# KiCad board [DFR1142]Lite Carrier for LattePanda Mu(V2).kicad_pcb (continued)
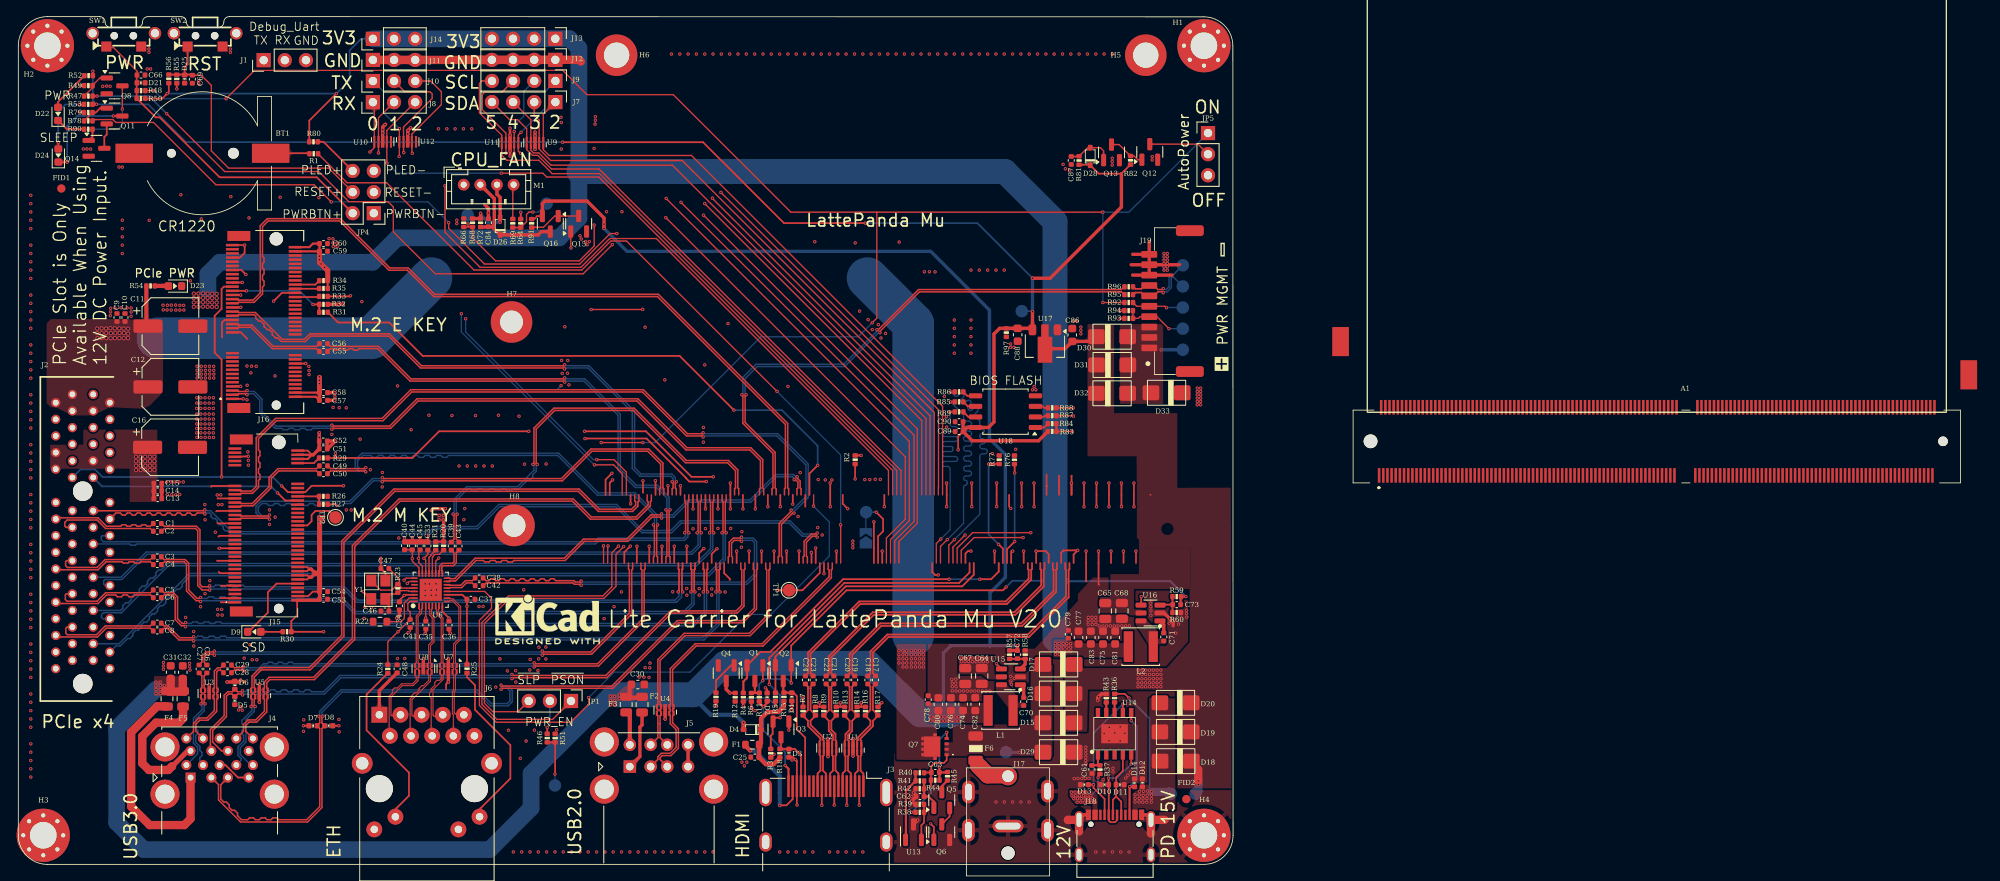
[diagram p0: board, top side]
## Routing (per net, layer and track width the routed paths; a pad name or vN(x,y) marks a point on that pad's centre or on a via; arc(x,y) is an arc through that point) (continued)
+BATT: length 93.7
  Top w0.15: 98.83,36.26 98.83,40.85 v1(98.83,40.86) ; v1(91.19,56.91) 73.1,75 71.21,75 67.73,71.52 54.76,71.52 44.27,82.01 39.51,82.01 R1.1
  Bottom w0.15: v1(98.83,40.86) 98.83,49.27 v1(91.19,56.91)
/Fan_Temp/FAN_1_PWM: length 45
  Top w0.15: R69.1 R64.2 61.08,77.32 61.08,78.2 61.36,78.48 v1(61.85,78.48)
  Top w0.2: 70.58,44.46 70.58,46.29 v1(71.34,47.05)
  In2.PWR w0.15: v1(71.34,47.05) 71.34,70.62 63.48,78.48 61.87,78.48 61.85,78.46 v1(61.85,78.48)
  Bottom w0.15: TP12.1 62.48,78.48 v1(61.85,78.48)
/Fan_Temp/FAN_1_TAC: length 56.7
  Top w0.15: R66.1 54.07,76.69 ; 54.07,76.69 R68.2 54.59,75.39 57.36,72.62 67.43,72.62 69.22,74.41 v1(69.22,76.92) ; 54.07,76.69 v1(54.07,77.05)
  Top w0.2: v1(71.43,46.26) 71.08,45.91 71.08,44.46
  In2.PWR w0.15: v1(71.43,46.26) 71.8,46.63 71.8,72.18 69.22,74.76 v1(69.22,76.92)
  Bottom w0.15: TP11.1 54.07,78.07 v1(54.07,77.05)
/Gigabit Ethernet/GbE_PCIe_CLK+: length 49.9
  Top w0.17: U6.15 51.82,34.04 51.88,34.1 52.56,34.1 55.02,36.56 55.88,36.56 56.07,36.38 56.58,36.38 56.77,36.56 57.28,36.56 57.47,36.38 57.98,36.38 58.17,36.56 58.68,36.56 58.87,36.38 59.38,36.38 59.57,36.56 65.74,36.56 68.04,38.86 73.25,38.86 76.17,41.78 77.21,41.78 v1(77.32,41.67) ; 93.58,44.46 93.58,45.18 93.7,45.3 93.7,46 93.41,46.29 v1(93.25,46.29)
  Bottom w0.17: v1(93.25,46.29) 93.25,46.45 93.06,46.63 91.1,46.63 88.04,43.57 80.56,43.57 78.77,41.78 77.43,41.78 v1(77.32,41.67)
/Gigabit Ethernet/GbE_PCIe_CLK-: length 49.9
  Top w0.17: U6.16 51.82,34.44 51.88,34.38 52.44,34.38 54.9,36.84 65.62,36.84 67.92,39.14 73.13,39.14 76.05,42.06 77.21,42.06 v1(77.32,42.17) ; 94.08,44.46 94.08,45.18 93.97,45.3 93.97,46.11 93.6,46.48 v1(93.6,46.64)
  Bottom w0.17: v1(77.32,42.17) 77.43,42.06 78.65,42.06 80.44,43.85 87.92,43.85 90.98,46.91 93.18,46.91 93.44,46.64 v1(93.6,46.64)
/Gigabit Ethernet/GbE_PCIe_RX+: length 53.2
  Top w0.17: v1(62.36,48.12) 62.25,48.23 62.25,52.38 64.48,54.61 73.9,54.61 80.19,48.32 85.23,48.32 86.2,47.36 86.2,45.3 86.08,45.18 86.08,44.46 ; C43.2 52.97,38.81 52.64,39.13 52.64,42.03 v1(52.76,42.14)
  Bottom w0.17: v1(62.36,48.12) 62.25,48.01 62.25,47.29 61.84,46.88 61.84,46.58 61.49,46.23 61.19,46.23 60.13,45.17 59.48,45.17 59.27,44.96 58.78,44.96 58.57,45.17 58.08,45.17 57.87,44.96 57.38,44.96 57.17,45.17 56.68,45.17 56.47,44.96 55.98,44.96 55.77,45.17 55.28,45.17 55.07,44.96 54.58,44.96 54.37,45.17 54.02,45.17 52.64,43.8 52.64,42.25 v1(52.76,42.14)
/Gigabit Ethernet/GbE_PCIe_RX-: length 53.2
  Top w0.17: 86.58,44.46 86.58,45.18 86.47,45.3 86.47,47.47 85.35,48.6 80.31,48.6 74.02,54.89 64.36,54.89 61.97,52.5 61.97,48.23 v1(61.86,48.12) ; C39.2 52.05,38.81 52.37,39.13 52.37,42.03 v1(52.25,42.14)
  Bottom w0.17: v1(52.25,42.14) 52.37,42.25 52.37,43.91 53.9,45.45 60.01,45.45 61.97,47.41 61.97,48.01 v1(61.86,48.12)
/Gigabit Ethernet/GbE_PCIe_TX+: length 44
  Top w0.17: v1(86.92,39.37) 86.8,39.26 85.94,39.26 85.45,38.77 85.45,37.1 85.33,36.98 85.33,36.26 ; v1(67.65,33.58) 67.54,33.7 66.84,33.7 66.67,33.86 56.23,33.86 55.9,33.54 C42.2
  Bottom w0.17: v1(86.92,39.37) 87.03,39.26 88.32,39.26 88.74,38.84 88.74,34.85 87.59,33.7 67.77,33.7 v1(67.65,33.58)
/Gigabit Ethernet/GbE_PCIe_TX-: length 44
  Top w0.17: 85.83,36.26 85.83,36.98 85.72,37.1 85.72,38.65 86.05,38.98 86.8,38.98 v1(86.92,38.87) ; v1(67.65,34.08) 67.54,33.97 66.95,33.97 66.79,34.13 64.59,34.13 64.36,34.37 63.99,34.37 63.76,34.13 63.39,34.13 63.16,34.37 62.79,34.37 62.56,34.13 62.19,34.13 61.96,34.37 61.59,34.37 61.36,34.13 60.99,34.13 60.76,34.37 60.39,34.37 60.16,34.13 59.79,34.13 59.56,34.37 59.19,34.37 58.96,34.13 58.59,34.13 58.36,34.37 57.99,34.37 57.76,34.13 57.39,34.13 57.16,34.37 56.79,34.37 56.56,34.13 56.23,34.13 55.9,34.46 C38.2
  Bottom w0.17: v1(67.65,34.08) 67.77,33.97 87.47,33.97 88.47,34.97 88.47,38.72 88.21,38.98 87.03,38.98 v1(86.92,38.87)
/Gigabit Ethernet/HSI+: length 3.8
  Top w0.17: U6.13 51.82,33.24 51.88,33.3 53.3,33.3 53.86,33.86 54.55,33.86 54.88,33.54 C42.1
/Gigabit Ethernet/HSI-: length 3.8
  Top w0.17: U6.14 51.82,33.64 51.88,33.58 53.18,33.58 53.74,34.13 54.55,34.13 54.88,34.46 C38.1
/Gigabit Ethernet/HSO+: length 4.4
  Top w0.17: C43.1 52.97,37.79 52.64,37.47 52.64,36.29 52.3,35.94 51.08,35.94 50.9,35.77 50.9,35.35 50.97,35.29 U6.17
/Gigabit Ethernet/HSO-: length 4.4
  Top w0.17: C39.1 52.05,37.79 52.37,37.47 52.37,36.4 52.18,36.22 50.96,36.22 50.63,35.88 50.63,35.35 50.57,35.29 U6.18
/Gigabit Ethernet/LED1_1000: length 34.9
  Top w0.15: U6.26 46.99,34.04 v1(46.75,33.8)
  In2.PWR w0.15: v1(46.75,33.8) 47.27,33.28 47.27,28.96 46.03,27.72 46.03,24.31 41.89,20.17 41.89,16.58 39,13.69 39,8.89 42.79,5.11
/Gigabit Ethernet/LED2_ACT: length 36.3
  Top w0.15: v1(46.37,34.19) 46.61,34.44 U6.25
  In2.PWR w0.15: 52.89,5.11 52.89,11.38 56.28,14.76 56.28,19.02 47.71,27.59 47.71,33.44 46.93,34.22 46.4,34.22 v1(46.37,34.19)
/Gigabit Ethernet/MDI0+: length 18.4
  Top w0.116: J6.R2 44.57,15.55 44.57,20.24 44.96,20.63 44.96,20.98 45.21,21.23 45.56,21.23 46.05,21.72 47.36,21.72 47.83,22.18 47.83,22.54 47.69,22.68 U8.6 47.69,23.34 47.83,23.48 47.83,23.6 47.69,23.74 U8.5 47.69,24.12 47.83,24.26 47.83,29.88 48.26,30.31 48.26,30.7 48.17,30.79 U6.1
/Gigabit Ethernet/MDI0-: length 17.1
  Top w0.116: U6.2 48.57,30.79 48.47,30.7 48.47,30.22 48.04,29.79 48.04,24.26 48.19,24.12 U8.4 48.19,23.74 48.04,23.6 48.04,23.48 48.19,23.34 U8.7 48.19,22.68 48.04,22.54 48.04,22.09 47.46,21.5 46.15,21.5 44.79,20.15 44.79,17.95 44.85,17.89 45.42,17.89 45.94,18.4
/Gigabit Ethernet/MDI1+: length 17.4
  Top w0.116: U6.4 49.37,30.79 49.46,30.7 49.46,29.96 49.74,29.67 49.74,26.84 49.33,26.42 49.33,24.26 49.19,24.12 U8.2 49.19,23.74 49.33,23.6 49.33,23.48 49.19,23.34 U8.9 49.19,22.97 49.33,22.82 49.33,22.14 48.68,21.49 48.48,21.49 48.16,21.16 48.16,20.97 47.83,20.64 47.63,20.64 47.31,20.31 47.31,20.12 47.09,19.9 47.09,15.57 J6.R4
/Gigabit Ethernet/MDI1-: length 16.1
  Top w0.116: U6.5 49.77,30.79 49.67,30.7 49.67,30.05 49.96,29.77 49.96,26.74 49.54,26.33 49.54,24.26 49.69,24.12 U8.1 49.69,23.74 49.54,23.6 49.54,23.48 49.69,23.34 U8.10 49.69,22.97 49.54,22.82 49.54,22.05 47.31,19.81 47.31,17.96 47.44,17.83 47.83,17.83 48.48,18.47
/Gigabit Ethernet/MDI2+: length 16.9
  Top w0.116: J6.R6 49.62,15.58 49.62,19.99 49.42,20.19 49.42,20.59 49.62,20.79 49.62,21.12 50.06,21.55 50.06,21.9 50.3,22.15 50.66,22.15 50.83,22.32 50.83,22.83 50.69,22.97 U7.6 ; U6.6 50.17,30.79 50.26,30.7 50.26,30.11 50.83,29.54 50.83,24.26 50.69,24.12 U7.5 50.69,23.75 50.83,23.6 50.83,23.49 50.69,23.35
/Gigabit Ethernet/MDI2-: length 15.4
  Top w0.116: 51.19,23.35 51.04,23.49 51.04,23.6 51.19,23.75 U7.4 51.19,24.12 51.04,24.26 51.04,29.63 50.47,30.2 50.47,30.7 50.57,30.79 U6.7 ; U7.7 51.19,22.97 51.04,22.83 51.04,22.23 49.84,21.03 49.84,17.95 49.97,17.82 50.56,17.82 51.02,18.27
/Gigabit Ethernet/MDI3+: length 17.9
  Top w0.116: J6.R8 52.29,18.02 52.17,18.14 52.17,20.83 52.33,20.99 52.33,22.83 52.19,22.97 U7.9 52.19,23.35 52.33,23.49 52.33,23.6 52.19,23.75 U7.2 52.19,24.12 52.33,24.26 52.33,26.54 52.95,27.17 52.95,30.94 52.17,31.73 51.91,31.73 51.82,31.64 U6.9
/Gigabit Ethernet/MDI3-: length 18.3
  Top w0.116: 53.55,18.23 53.55,18.9 ; 53.55,18.9 52.77,18.12 52.49,18.12 52.39,18.23 52.39,20.74 52.54,20.9 52.54,22.83 52.69,22.97 U7.10 52.69,23.35 52.54,23.49 52.54,23.6 52.69,23.75 U7.1 52.69,24.12 52.54,24.26 52.54,26.45 53.17,27.07 53.17,31.04 52.26,31.95 51.91,31.95 51.82,32.04 U6.10 ; 53.55,18.9 53.56,18.89 53.56,18.21
/Gigabit Ethernet/~{CLKREQ4}: length 79
  Top w0.15: v1(68.55,20.07) 68.55,19.27 66.38,17.1 57.45,17.1 55.42,19.13 55.42,29.36 56.87,30.81 56.87,32.02 56.05,32.84 U6.12 ; 95.58,44.46 95.58,43.1 v1(95.58,43.1)
  Bottom w0.15: v1(68.55,20.07) 71.61,23.13 80.73,23.13 87.67,30.07 90.44,30.07 97.47,37.1 97.47,41.21 v1(95.58,43.1)
/GPIO/I2C2_SCL: length 83.9
  Top w0.15: v1(60.38,85.55) 60.1,85.83 U11.10 60.1,87.75 v1(60.43,88.08) ; v1(84.45,80.85) 110.6,54.7 110.6,45.4 110.58,45.38 110.58,44.46
  In2.PWR w0.15: v1(60.38,85.55) 79.75,85.55 v1(84.45,80.85)
  Bottom w0.15: v1(60.43,88.08) 63.27,90.92 63.27,92.94 64.55,94.22 J9.1
/GPIO/I2C2_SDA: length 77.8
  Top w0.15: J7.1 63.1,90.27 U9.10 63.1,85.99 63.8,85.29 80.91,85.29 111.08,55.11 111.08,44.46
/GPIO/I2C3_SCL: length 82.3
  Top w0.15: v1(59.6,85.54) U11.9 U11.2 v1(59.6,88.17) ; v1(83.42,80.16) 83.42,80.13 109.58,53.96 109.58,44.46
  In2.PWR w0.15: v1(83.42,80.16) 80.05,83.53 61.61,83.53 v1(59.6,85.54)
  Bottom w0.15: J9.2 60.75,93 60.75,90.03 59.6,88.88 v1(59.6,88.17)
/GPIO/I2C3_SDA: length 76.4
  Top w0.15: 110.08,44.46 110.08,54.38 79.78,84.69 63.98,84.69 62.6,86.07 U9.9 62.6,89.54 62.01,90.13 J7.2
/GPIO/I2C4_SCL: length 85.4
  Top w0.15: v1(82.49,79.51) 108.58,53.41 108.58,44.46 ; v1(58.6,85.56) U11.7 58.6,87.98 55.77,90.81 55.77,92.62 56.06,92.91 58.12,92.91 J9.3
  In2.PWR w0.15: v1(82.49,79.51) 79.18,82.82 60.46,82.82 58.6,84.68 v1(58.6,85.56)
/GPIO/I2C4_SDA: length 76.7
  Top w0.15: J7.3 61.6,89.59 U9.7 61.6,85.93 61.92,85.6 62.55,85.6 64.03,84.13 78.61,84.13 109.08,53.65 109.08,44.46
/GPIO/I2C5_SCL: length 77.5
  Top w0.15: J9.4 55.73,94.26 55.42,93.95 55.42,90.42 58.1,87.74 U11.5 U11.6 58.1,85.33 58.72,84.71 62.57,84.71 64.17,83.11 69.87,83.11 105.58,47.39 105.58,44.46
/GPIO/I2C5_SDA: length 71.9
  Top w0.15: 106.08,44.46 106.08,47.38 69.8,83.67 64.07,83.67 62.43,85.3 61.8,85.3 61.1,86 U9.6 61.1,88.51 60,89.61 59.04,89.61 J7.4
/GPIO/SOC_UART0_RX: length 99.5
  Top w0.15: J8.1 42.79,91.54 U10.1 42.79,86.24 v1(42.26,85.71) ; 104.33,36.26 104.33,39.26 106.61,41.54 106.61,49.03 v1(77.82,77.82)
  In2.PWR w0.15: v1(77.82,77.82) 76.38,79.26 50.54,79.26 44.72,85.08 42.89,85.08 v1(42.26,85.71)
/GPIO/SOC_UART0_TX: length 101.5
  Top w0.15: v1(45.78,85.17) 45.8,85.19 U12.1 v1(45.8,88.53) ; 104.83,36.26 104.83,39.09 107.08,41.34 107.08,50.9 77.87,80.11 v1(77.87,80.13)
  In2.PWR w0.15: v1(77.87,80.13) 50.8,80.13 45.78,85.15 v1(45.78,85.17)
  Bottom w0.15: J10.1 43.9,92.97 43.9,90.43 v1(45.8,88.53)
/GPIO/SOC_UART1_RX: length 101.7
  Top w0.15: 105.33,36.26 105.33,38.93 107.66,41.26 107.66,51.64 v1(79.65,79.65) ; J8.2 43.29,89.84 U10.2 v1(43.29,85.59)
  In2.PWR w0.15: v1(43.29,85.59) 44.67,85.59 50.61,79.65 v1(79.65,79.65)
/GPIO/SOC_UART1_TX: length 106.3
  Top w0.15: J10.2 46.45,92.96 49.48,92.96 49.74,92.7 49.74,92.15 46.3,88.71 U12.2 46.3,85.66 v1(46.32,85.63) ; v1(82.35,78.11) 108.04,52.42 108.04,41.04 105.83,38.83 105.83,36.26
  In2.PWR w0.15: v1(82.35,78.11) 79.86,80.59 51.37,80.59 46.33,85.63 v1(46.32,85.63)
/GPIO/SOC_UART2_RX: length 87.8
  Top w0.15: v1(58.04,83.16) 63.05,83.16 63.51,82.7 69.78,82.7 105.08,47.4 105.08,44.46 ; v1(44.31,84.37) 44.29,84.39 U10.4 44.29,88.3 J8.3
  Bottom w0.15: v1(58.04,83.16) 45.52,83.16 v1(44.31,84.37)
/GPIO/SOC_UART2_TX: length 94.7
  Top w0.15: v1(47.36,85.55) 47.3,85.62 U12.4 47.3,87.86 50.85,91.41 50.85,92.96 49.56,94.25 J10.3 ; v1(51.28,81.65) 51.28,76.06 55.51,71.83 67.61,71.83 71.08,75.3 76.69,75.3 104.58,47.4 104.58,44.46
  In2.PWR w0.15: v1(51.28,81.65) 51.27,81.65 v1(47.36,85.55)
/HDMI/DDC_SCL: length 13.4
  Top w0.2: 93.19,20.63 93.56,20.26 93.56,16.27 94.57,15.26 94.57,10.3
  Top w0.25: Q2.3 91.94,20.93 92.22,20.65 93.17,20.65 93.19,20.63
/HDMI/DDC_SDA: length 7.3
  Top w0.205: 94.07,10.3 94.07,13.14 93.32,13.89 R18.2 91.66,14.02 91.66,15.45
/HDMI/DDI_B_DDC_SCL: length 33.7
  Top w0.209: R5.2 91,23.94 Q2.2 90.99,25 99.44,33.45 113.44,33.45 114.83,34.84 114.83,36.26
/HDMI/DDI_B_DDC_SDA: length 41.7
  Top w0.2: v1(90.26,21.65) 90.26,24.85 99.27,33.86 113.07,33.86 114.33,35.12 114.33,36.26 ; 90.71,17.33 91.04,17.65 v1(91.56,17.65)
  Top w0.205: Q3.2 90.66,17.14 90.66,15.7 90.43,15.47 R3.2
  Bottom w0.2: v1(91.56,17.65) 91.56,17.6 91.56,20.35 v1(90.26,21.65)
/HDMI/DDI_B_HPD: length 39.5
  Top w0.209: v1(111.88,34.31) 99.13,34.31 90.38,25.56 89.19,25.56 Q1.2 ; v1(115.56,34.31) 116.92,34.31 117.83,35.23 117.83,36.26
  Top w0.25: Q1.2 87.58,22.43 87.14,21.99 R4.2
  Bottom w0.209: v1(111.88,34.31) v1(115.56,34.31)
/HDMI/DDI_B_TX0+: length 33.4
  Top w0.205: 126.33,36.26 126.33,35.53 126.24,35.44 126.24,32.12 121.46,27.35 104.58,27.35 102.72,25.49 102.72,23.01 103.02,22.7 C17.1
/HDMI/DDI_B_TX0-: length 33.4
  Top w0.205: 125.83,36.26 125.83,35.53 125.93,35.44 125.93,32.25 121.34,27.66 104.45,27.66 102.41,25.62 102.41,23.01 102.1,22.7 C18.1
/HDMI/DDI_B_TX1+: length 33.8
  Top w0.205: C19.1 100.52,22.7 100.22,23.01 100.22,25.19 103.71,28.69 120.65,28.69 124.74,32.77 124.74,35.44 124.83,35.53 124.83,36.26
/HDMI/DDI_B_TX1-: length 33.8
  Top w0.205: C20.1 99.6,22.7 99.91,23.01 99.91,25.32 103.58,28.99 120.52,28.99 124.43,32.9 124.43,35.44 124.33,35.53 124.33,36.26
/HDMI/DDI_B_TX2+: length 34.3
  Top w0.205: 123.33,36.26 123.33,35.53 123.24,35.44 123.24,33.43 119.83,30.03 102.83,30.03 97.71,24.91 97.71,23.01 98.02,22.7 C21.1
/HDMI/DDI_B_TX2-: length 34.3
  Top w0.205: 122.83,36.26 122.83,35.53 122.93,35.44 122.93,33.56 119.71,30.33 102.7,30.33 97.4,25.04 97.4,23.01 97.1,22.7 C22.1
/HDMI/DDI_B_TX3+: length 35.1
  Top w0.205: C23.1 95.53,22.7 95.22,23.01 95.22,25.35 101.19,31.33 118.81,31.33 121.74,34.25 121.74,35.44 121.83,35.53 121.83,36.26
/HDMI/DDI_B_TX3-: length 35.1
  Top w0.205: C24.1 94.61,22.7 94.91,23.01 94.91,25.48 101.07,31.63 118.69,31.63 121.43,34.38 121.43,35.44 121.33,35.53 121.33,36.26
/HDMI/HPD: length 11.7
  Top w0.25: 92.57,10.3 92.57,11.49 v1(92.16,11.9) ; R11.2 89.06,19.44 v1(89.54,18.96) 90.01,19.43 D2.2
  Bottom w0.2: v1(89.54,18.96) 89.54,16.12 92.16,13.5 v1(92.16,11.9)
/HDMI/TMDS_CK+: length 13.8
  Top w0.205: 95.8,17.93 95.8,17.88 ; J3.10 97.07,10.93 96.71,11.29 96.71,13.04 96.81,13.14 U2.7 U2.4 96.81,14.85 96.71,14.95 96.71,15.29 95.22,16.79 95.22,17.28 95.81,17.88 R8.1 95.81,17.98 95.22,18.58 95.22,21.16 95.22,21.16 95.22,21.37 95.53,21.68 C23.2
/HDMI/TMDS_CK-: length 13.8
  Top w0.205: 94.4,17.93 94.4,17.88 ; C24.2 94.61,21.68 94.91,21.37 94.91,21.28 94.91,18.58 94.31,17.98 R7.1 94.31,17.88 94.91,17.28 94.91,16.66 96.41,15.16 96.41,14.95 96.31,14.85 U2.5 U2.6 96.31,13.14 96.41,13.04 96.41,11.28 96.07,10.94 J3.12
/HDMI/TMDS_D0+: length 13.4
  Top w0.205: J3.7 98.57,10.94 98.21,11.3 98.21,13.04 98.31,13.14 U2.10 U2.1 98.31,14.85 98.21,14.95 98.21,15.7 97.72,16.19 97.72,17.28 98.31,17.88 R10.1 97.72,18.53 97.72,21.11 97.71,21.11 97.71,21.37 98.02,21.68 C21.2
/HDMI/TMDS_D0-: length 13.4
  Top w0.205: J3.9 97.57,10.94 97.91,11.28 97.91,13.04 97.81,13.14 U2.9 U2.2 97.81,14.85 97.91,14.95 97.91,15.57 97.41,16.06 97.41,17.28 96.81,17.88 R9.1 97.41,18.53 97.41,20.99 97.4,21 97.4,21.37 97.1,21.68 C22.2
/HDMI/TMDS_D1+: length 13.4
  Top w0.205: C19.2 100.52,21.68 100.22,21.37 100.22,18.58 100.81,17.98 R14.1 100.81,17.88 100.22,17.28 100.22,16.05 99.72,15.55 99.72,14.95 99.82,14.85 U1.4 U1.7 99.82,13.14 99.72,13.04 99.72,11.28 100.07,10.93 J3.4
/HDMI/TMDS_D1-: length 13.4
  Top w0.205: C20.2 99.6,21.68 99.91,21.37 99.91,18.58 99.31,17.98 R13.1 99.31,17.88 99.91,17.28 99.91,16.17 99.42,15.68 99.42,14.95 99.32,14.85 U1.5 U1.6 99.32,13.14 99.42,13.04 99.42,11.29 99.07,10.94 J3.6
/HDMI/TMDS_D2+: length 13.8
  Top w0.205: C17.2 103.02,21.68 102.72,21.37 102.72,18.58 103.31,17.98 R17.1 103.31,17.88 102.72,17.28 102.72,16.64 101.22,15.14 101.22,14.95 101.32,14.85 U1.1 U1.10 101.32,13.14 101.22,13.04 101.22,11.28 101.57,10.93 J3.1
/HDMI/TMDS_D2-: length 13.8
  Top w0.205: J3.3 100.57,10.93 100.92,11.28 100.92,13.04 100.82,13.14 U1.9 U1.2 100.82,14.85 100.92,14.95 100.92,15.27 102.41,16.77 102.41,17.28 101.81,17.88 R16.1 101.81,17.98 102.41,18.58 102.41,21.37 102.1,21.68 C18.2
/LattePanda Module/HSIO_0_TX+: length 61
  Top w0.17: v1(23.57,25.67) 23.46,25.56 22.58,25.56 22.06,25.03 22.06,24.35 21.74,24.02 C27.1 ; v1(62.98,25.67) 63.09,25.56 68.79,25.56 73.45,30.21 73.45,35.42 73.33,35.53 73.33,36.26
  Bottom w0.17: v1(62.98,25.67) 62.87,25.56 23.68,25.56 v1(23.57,25.67)
/LattePanda Module/HSIO_0_TX-: length 61
  Top w0.17: C26.1 22.66,24.02 22.33,24.35 22.33,24.92 22.7,25.28 23.46,25.28 v1(23.57,25.17) ; v1(62.98,25.17) 63.09,25.28 68.9,25.28 73.72,30.1 73.72,35.42 73.83,35.53 73.83,36.26
  Bottom w0.17: v1(62.98,25.17) 62.87,25.28 23.68,25.28 v1(23.57,25.17)
/LattePanda Module/HSIO_1_TX+: length 59.4
  Top w0.17: v1(27.07,23.77) 26.96,23.66 25.97,23.66 25.65,23.98 C29.1 ; 74.83,36.26 74.83,35.53 74.95,35.42 74.95,29.46 69.62,24.14 62.11,24.14 v1(62,24.25)
  Bottom w0.17: v1(62,24.25) 61.89,24.14 33.09,24.14 32.91,24.32 32.49,24.32 32.31,24.14 31.89,24.14 31.71,24.32 31.29,24.32 31.11,24.14 30.69,24.14 30.51,24.32 30.09,24.32 29.91,24.14 29.47,24.14 28.99,23.66 27.18,23.66 v1(27.07,23.77)
/LattePanda Module/HSIO_1_TX-: length 59.4
  Top w0.17: C28.1 25.65,23.06 25.97,23.38 26.96,23.38 v1(27.07,23.27) ; 75.33,36.26 75.33,35.53 75.22,35.42 75.22,29.35 69.73,23.86 62.11,23.86 v1(62,23.75)
  Bottom w0.17: v1(62,23.75) 61.89,23.86 29.59,23.86 29.11,23.38 27.18,23.38 v1(27.07,23.27)
/LattePanda Module/HSIO_2_RX+: length 63.4
  Top w0.17: v1(43.75,46.03) 43.86,46.14 65.39,46.14 68.95,49.7 75.65,49.7 77.2,48.16 77.2,45.3 77.08,45.18 77.08,44.46 ; v1(30.19,42.03) 30.08,41.92 26.77,41.92 26.66,42.03 J15.43
  Bottom w0.17: v1(43.75,46.03) 43.64,46.14 42.69,46.14 39.96,43.41 39.2,43.41 38.97,43.18 38.5,43.18 38.27,43.41 37.8,43.41 37.57,43.18 37.1,43.18 36.87,43.41 36.4,43.41 36.17,43.18 35.7,43.18 35.47,43.41 35,43.41 34.77,43.18 34.3,43.18 34.07,43.41 33.6,43.41 33.37,43.18 32.9,43.18 32.67,43.41 32.2,43.41 31.97,43.18 31.5,43.18 31.27,43.41 30.8,43.41 30.57,43.18 30.1,43.18 29.87,43.41 29.28,43.41 28.84,42.97 28.84,42.41 29.33,41.92 30.08,41.92 v1(30.19,42.03)
/LattePanda Module/HSIO_2_RX-: length 63.4
  Top w0.17: v1(30.19,41.53) 30.08,41.64 26.77,41.64 26.66,41.53 J15.41 ; v1(43.75,46.53) 43.86,46.42 65.28,46.42 68.84,49.98 75.77,49.98 77.47,48.27 77.47,45.3 77.58,45.18 77.58,44.46
  Bottom w0.17: v1(43.75,46.53) 43.64,46.42 42.57,46.42 39.84,43.69 29.16,43.69 28.56,43.09 28.56,42.29 29.21,41.64 30.08,41.64 v1(30.19,41.53)
/LattePanda Module/HSIO_2_TX+: length 52.8
  Top w0.17: 76.33,36.26 76.33,36.98 76.45,37.1 76.45,40.74 v1(76.33,40.85) ; v1(41.76,47.73) 41.65,47.62 37.52,47.62 37.19,47.95 C49.1
  Bottom w0.17: v1(41.76,47.73) 41.65,47.62 41.05,47.62 40.78,47.89 40.78,48.56 41.42,49.2 42.38,49.2 42.61,48.97 43.08,48.97 43.31,49.2 43.78,49.2 44.01,48.97 44.48,48.97 44.71,49.2 45.18,49.2 45.41,48.97 45.88,48.97 46.11,49.2 46.58,49.2 46.81,48.97 47.28,48.97 47.51,49.2 47.98,49.2 48.21,48.97 48.68,48.97 48.91,49.2 49.38,49.2 49.61,48.97 50.08,48.97 50.31,49.2 50.78,49.2 51.01,48.97 51.48,48.97 51.71,49.2 64.81,49.2 69.58,44.43 74.01,44.43 76.45,42 76.45,40.96 v1(76.33,40.85)
